# Altium PCB 生日礼物V2.PcbDoc
Units mm, origin at the board's own origin, x right, y up, seen from the top; angles counter-clockwise.
Board outline 150 x 100 mm, 2 copper layers (Top Layer, Bottom Layer); 85 components, 79 nets, 265 pads, 11 vias.
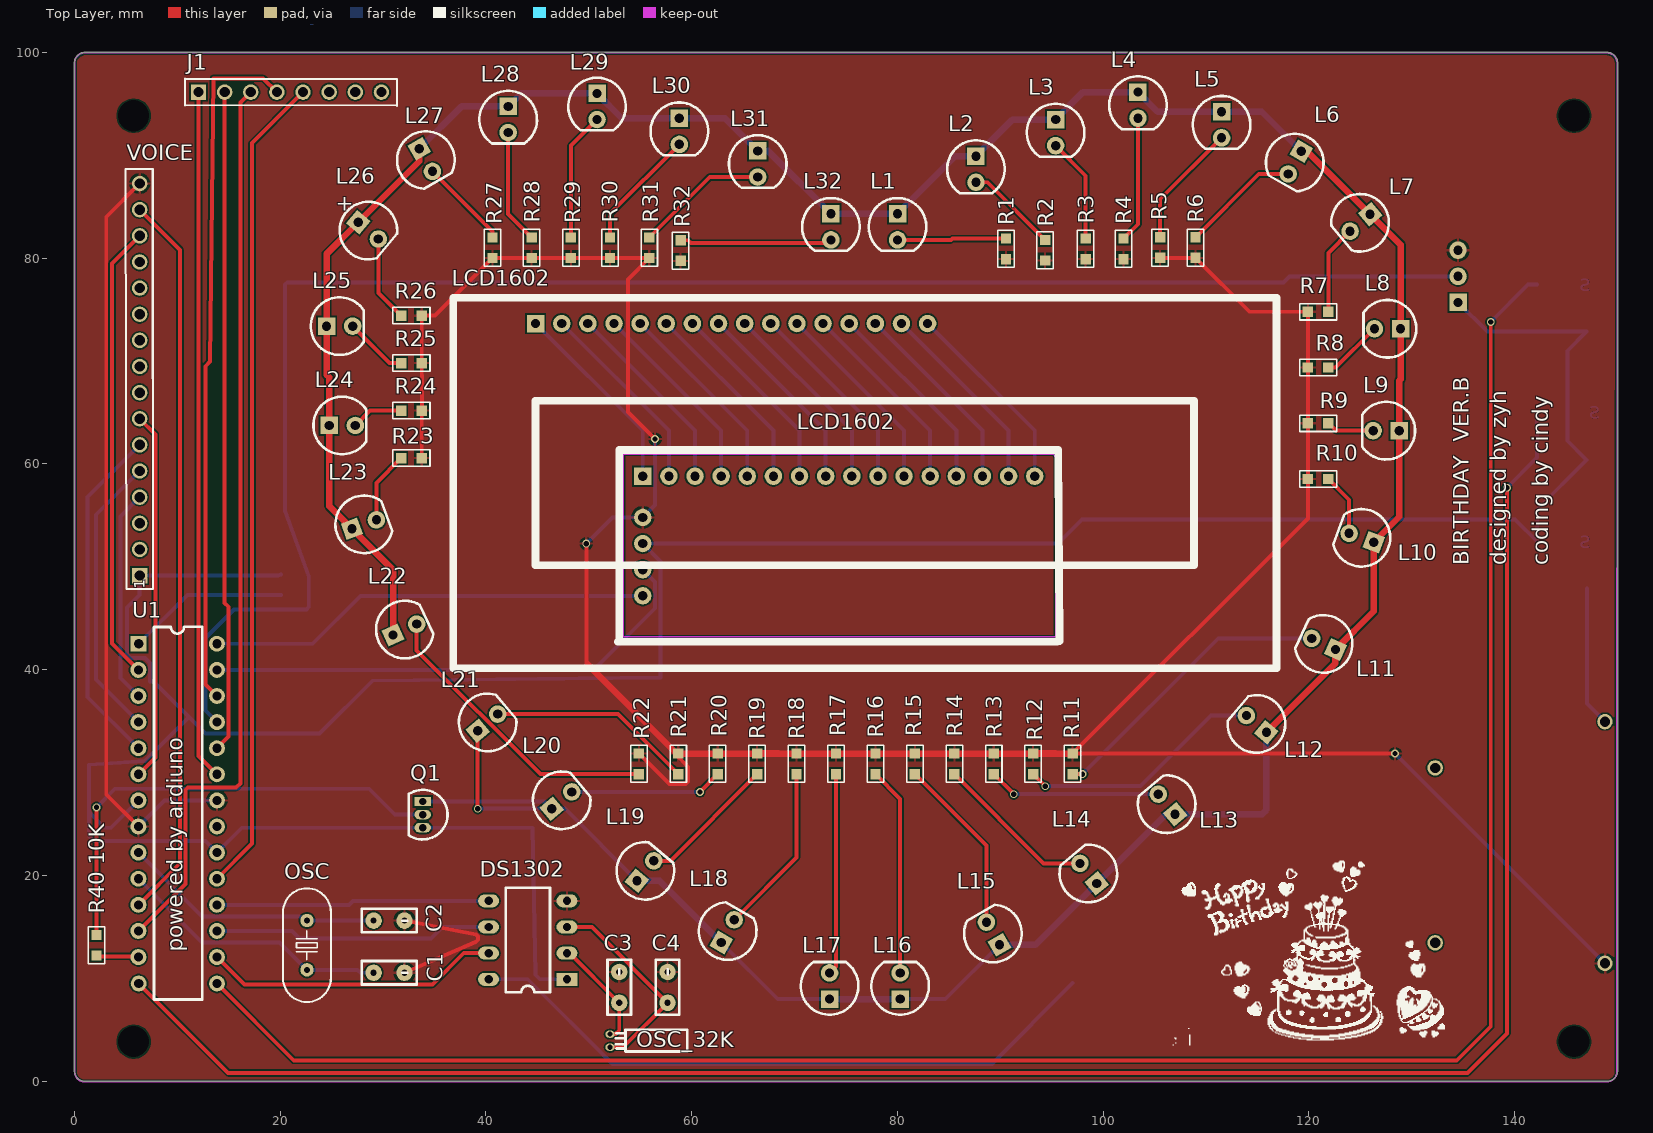
[diagram p0: Top Layer view]
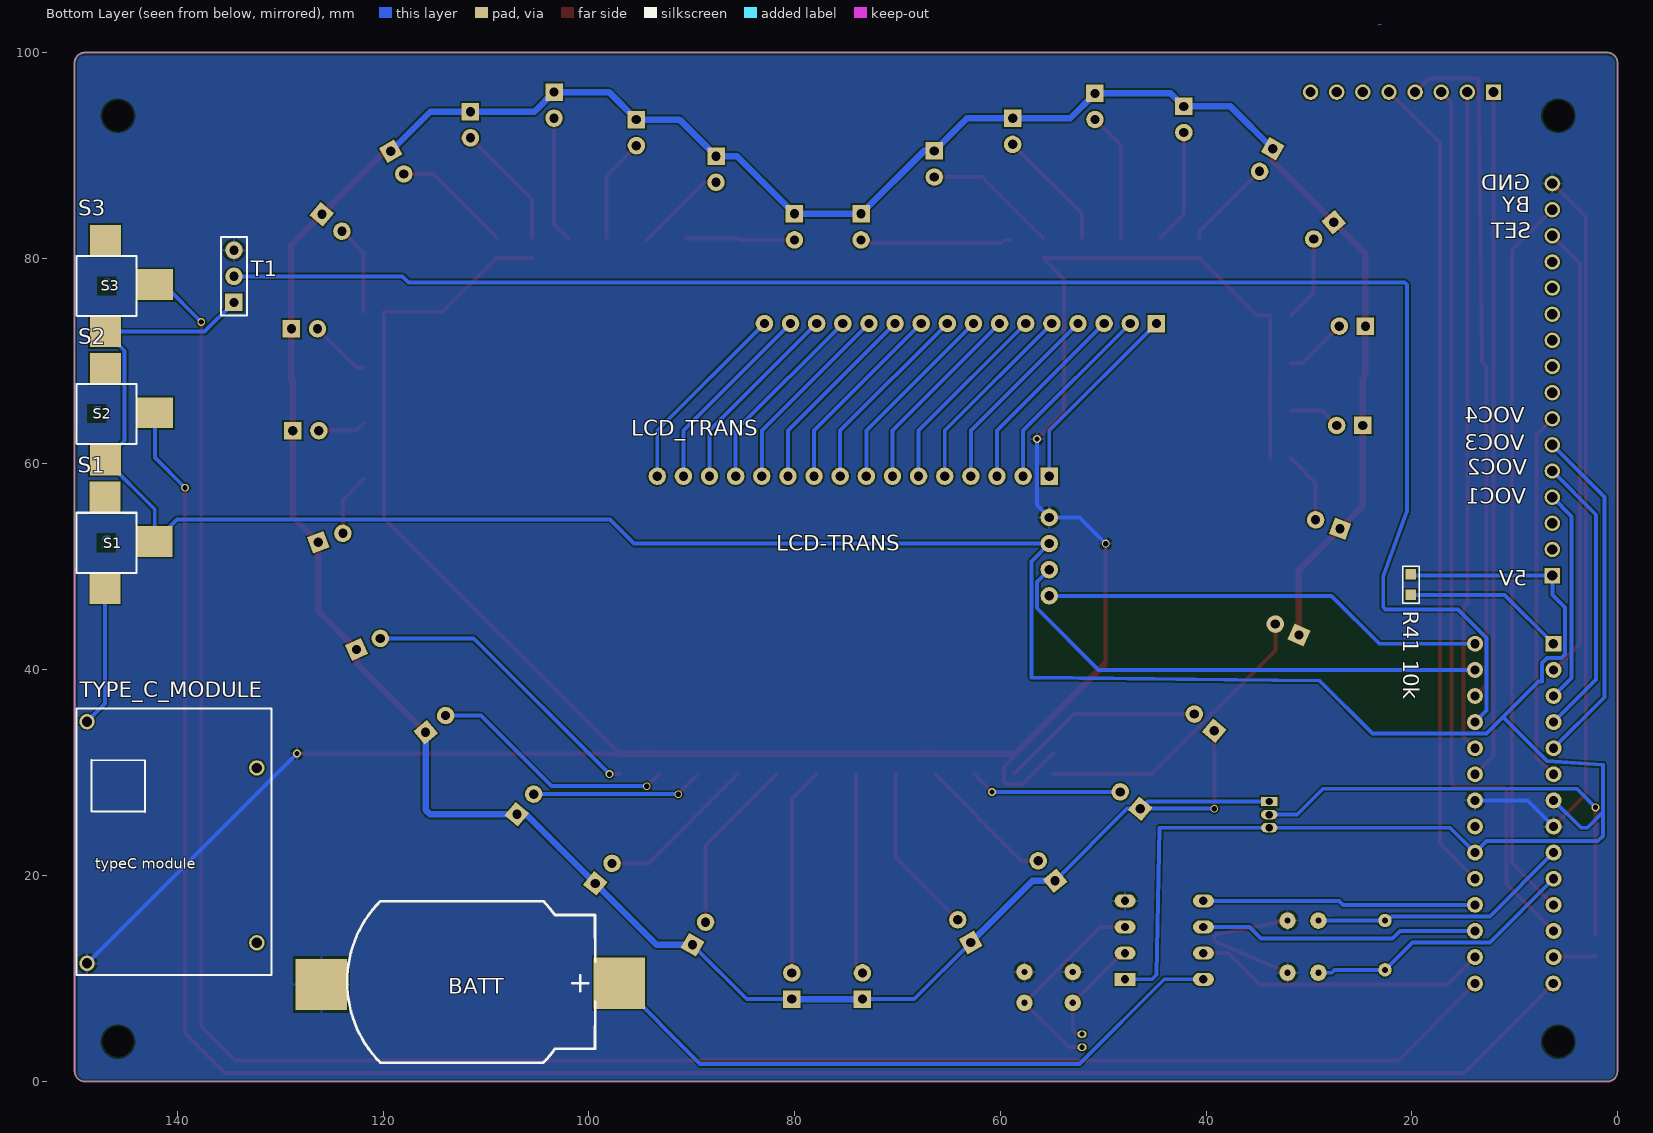
[diagram p1: Bottom Layer view, seen from below]

## Layer stack, top to bottom
Top Solder: solder mask 0.0102, Solder Resist, Dk 3.5
Top Layer: signal copper 0.0356
Dielectric 1: dielectric 0.32, FR-4, Dk 4.8
Bottom Layer: signal copper 0.0356
Bottom Solder: solder mask 0.0102, Solder Resist, Dk 3.5

## Board outline
0,1 0,99 cw(c1,99) 1,100 149,100 cw(c149,99) 150.001,99 150,1 cw(c149,1) 149,0 1,0 cw(c1,1)

## Design rules (kind name [scope] priority, off if disabled: settings)
Clearance [All] p1: gap=0.152 ignorepadtopadclearanceinfootprint=FALSE except(0: Arc-Hole Track-Hole SMDPad-Hole THPad-Hole Via-Hole Fill-Hole Poly-Hole Region-Hole Text-Hole)
PolygonConnect [All] p1: connectstyle=Relief reliefconductorwidth=0.254 reliefentries=4 polygonreliefangle="90 Angle" airgapwidth=0.254
RoomDefinition 生日礼物V2 [InComponentClass('生日礼物V2')] p1: confinementstyle=ConfineIn formatcopy=TRUE lockcomponents=FALSE outline -0.076,-0.279 150.088,-0.279 150.088,100.051 -0.076,100.051
RoutingVias [All] p1: holewidth=0.508 width=0.762 viastyle="Through Hole" minholewidth=0.254 minwidth=0.254 maxholewidth=5.08 maxwidth=5.08
SolderMaskExpansion [All] p1: expansion=0.102 istentingtop=FALSE
Width [All] p1: maxlimit=0.762 minlimit=0.152 preferedwidth=0.381
30 further rules are at their usual default settings.

## Components (designator, comment, footprint, x,y, rotation, side; value= is the part's Value field where it differs from the comment)
BATT "CR2302" CR2032_C 110.744,9.652 r270 bottom
C1 "" CAP 30.353,10.541 r0 top
C2 "" CAP 30.355,15.609 r0 top
C3 "" CAP 52.959,8.89 r90 top
C4 "" CAP 57.658,8.89 r90 top
DS1302 "DS1302" DS1302 47.879,9.906 r180 top
J1 "CON8" CON8 23.241,96.012 r0 top
L1 "" "LED 5MM-Y" 80.01,83.042 r270 top
L2 "" "LED 5MM-Y" 87.63,88.646 r270 top
L3 "" "LED 5MM-Y" 95.377,92.202 r270 top
L4 "" "LED 5MM-Y" 103.378,94.869 r270 top
L5 "" "LED 5MM-Y" 111.506,92.964 r270 top
L6 "" "LED 5MM-Y" 118.618,89.281 r240 top
L7 "" "LED 5MM-Y" 124.968,83.439 r220 top
L8 "" "LED 5MM-Y" 127.635,73.136 r180 top
L9 "" "LED 5MM-Y" 127.508,63.23 r180 top
L10 "" "LED 5MM-Y" 125.095,52.816 r160 top
L11 "" "LED 5MM-Y" 121.42,42.5 r155 top
L12 "" "LED 5MM-Y" 114.892,34.728 r140 top
L13 "" "LED 5MM-Y" 106.172,26.924 r130 top
L14 "" "LED 5MM-Y" 98.552,20.193 r130 top
L15 "" "LED 5MM-Y" 89.281,14.351 r120 top
L16 "" "LED 5MM-Y" 80.264,9.255 r90 top
L17 "" "LED 5MM-Y" 73.406,9.255 r90 top
L18 "" "LED 5MM-Y" 63.5,14.589 r60 top
L19 "" "LED 5MM-Y" 55.499,20.447 r50 top
L20 "" "LED 5MM-Y" 47.371,27.305 r40 top
L21 "" "LED 5MM-Y" 40.175,34.871 r40 top
L22 "" "LED 5MM-Y" 32.123,43.897 r25 top
L23 "" "LED 5MM-Y" 28.168,54.129 r20 top
L24 "" "LED 5MM-Y" 26.035,63.738 r0 top
L25 "" "LED 5MM-Y" 25.781,73.39 r0 top
L26 "" "LED 5MM-Y" 28.575,82.677 r320 top
L27 "" "LED 5MM-Y" 34.163,89.535 r300 top
L28 "" "LED 5MM-Y" 42.164,93.472 r270 top
L29 "" "LED 5MM-Y" 50.8,94.742 r270 top
L30 "" "LED 5MM-Y" 58.801,92.329 r270 top
L31 "" "LED 5MM-Y" 66.421,89.154 r270 top
L32 "" "LED 5MM-Y" 73.533,83.042 r270 top
LCD1602 "" LCD1602 44.831,73.644 r0 top
LCD_TRANS "" LCD-TRANS 136.144,66.548 r180 bottom
OSC "OSC" "OSC HC-49U" 22.606,13.221 r270 top
OSC_32K "" osc_32.768K 52.07,3.937 r180 top
Q1 "S8050" TO92 34.925,26.162 r270 top
R1 "RES" 0805R 90.551,80.899 r270 top
R2 "RES" 0805R 94.361,80.772 r270 top
R3 "RES" 0805R 98.298,80.899 r270 top
R4 "RES" 0805R 101.981,80.899 r270 top
R5 "RES" 0805R 105.537,81.026 r270 top
R6 "RES" 0805R 108.966,81.026 r270 top
R7 "RES" 0805R 120.888,74.787 r180 top
R8 "RES" 0805R 120.888,69.368 r180 top
R9 "RES" 0805R 120.888,63.95 r180 top
R10 "RES" 0805R 120.888,58.531 r180 top
R11 "RES" 0805R 97.028,30.845 r90 top
R12 "RES" 0805R 93.195,30.845 r90 top
R13 "RES" 0805R 89.362,30.845 r90 top
R14 "RES" 0805R 85.529,30.845 r90 top
R15 "RES" 0805R 81.696,30.845 r90 top
R16 "RES" 0805R 77.863,30.845 r90 top
R17 "RES" 0805R 74.029,30.845 r90 top
R18 "RES" 0805R 70.196,30.845 r90 top
R19 "RES" 0805R 66.363,30.845 r90 top
R20 "RES" 0805R 62.53,30.845 r90 top
R21 "RES" 0805R 58.697,30.845 r90 top
R22 "RES" 0805R 54.864,30.845 r90 top
R23 "RES" 0805R 32.766,60.563 r0 top
R24 "RES" 0805R 32.766,65.177 r0 top
R25 "RES" 0805R 32.766,69.792 r0 top
R26 "RES" 0805R 32.766,74.406 r0 top
R27 "RES" 0805R 40.64,81.01 r270 top
R28 "RES" 0805R 44.45,81.01 r270 top
R29 "RES" 0805R 48.26,81.01 r270 top
R30 "RES" 0805R 52.07,81.01 r270 top
R31 "RES" 0805R 55.88,81.01 r270 top
R32 "RES" 0805R 58.928,80.737 r270 top
"R40 10K" "10K" 0805R 2.159,13.208 r90 top (schematic designator R40)
"R41 10k" "10k" 0805R 20.097,48.271 r90 bottom (schematic designator R41)
S1 "switch" switch 148.031,59.191 r180 bottom
S2 "swtich2" switch 148.006,71.699 r180 bottom
S3 "swtich2" switch 148.006,84.153 r180 bottom
T1 "TEMPERATURE" TEMP_SENSOR 133.096,78.74 r180 bottom
TYPE_C_MODULE "TYPE_C_MODULE" TYPE_C_Module 141.224,15.674 r180 bottom
U1 "" DIP28 10.042,26.006 r0 top
VOICE "" VOICE 6.35,88.519 r90 top

## Footprints (in the part's own frame and the unit in brackets; to place one, negate y for a bottom-side part, rotate by r counter-clockwise, add the part's x,y. Pads: shape width x height; smd on the part's side, far side on the other; paste and mask are expansions set on the pad)
0805R [mm]
  rect 1x1 smd: 1(-1,0) 2(1,0)
  silkscreen extent -1.8,-0.8 1.8,0.8
CAP [mm] "瓷片电容，脚距3mm"
  round 1.6 hole 0.6: 1(-1.27,0) 2(1.73,0)
  silkscreen extent -2.41,-1.14 2.92,1.14
CON8 [mm]
  rect 1.5x1.5 hole 1: 1(-11.176,0.127)
  round 1.5 hole 1: 2(-8.636,0.127) 3(-6.096,0.127) 4(-3.556,0.127) 5(-1.016,0.127) 6(1.524,0.127) 7(4.064,0.127) 8(6.604,0.127)
  silkscreen extent -12.48,-1.2 8.13,1.43
CR2032_C [mm]
  rect 5x5 smd: 1(0.127,13.716) 2(0.254,-15.24)
  silkscreen extent -7.85,-12.75 7.85,11.35
DIP28 [mil] "28脚300mil直插集成电路（蒜米工坊）"
  rect 61x61 hole 35: 1(-149.24,650.1)
  round 61 hole 35: 2(-150.36,550.19) 3(-150.36,450.29) 4(-150.36,350.39) 5(-150.36,250.48) 6(-150.36,150.58) 7(-150.36,50.68) 8(-150.36,-49.23) 9(-150.36,-149.13) 10(-150.36,-249.04) 11(-150.36,-348.94) 12(-150.36,-448.84) 13(-150.36,-548.75) 14(-149.24,-650.1) 15(150.36,-650.1) 16(150.36,-548.75) 17(150.36,-448.84) 18(150.36,-348.94) 19(150.36,-249.04) 20(150.36,-149.13) 21(150.36,-49.23) 22(150.36,50.68) 23(150.36,150.58) 24(150.36,250.48) 25(150.36,350.39) 26(150.36,450.29) 27(150.36,550.19) 28(149.97,650.1)
  silkscreen extent -91,-711 94,715, body extent -154,-690 154,690, height 180
DS1302 [mil] "8脚300mil直插集成电路（蒜米工坊）"
  rect 80x50 hole 32: 1(0,0)
  oval 80x50 hole 32: 2(0,-100) 3(0,-200) 4(0,-300) 5(300,-300) 6(300,-200) 7(300,-100) 8(300,0)
  silkscreen extent 65,-350 235,50, body extent -3,-363 303,63, height 177
LCD1602 [mm] "LCD module 16*2 char"
  rect 1.7x1.7 hole 0.9: 1(0,0)
  round 1.7 hole 0.9: 2(2.54,0) 3(5.08,0) 4(7.62,0) 5(10.16,0) 6(12.7,0) 7(15.24,0) 8(17.78,0) 9(20.32,0) 10(22.86,0) 11(25.4,0) 12(27.94,0) 13(30.48,0) 14(33.02,0) 15(35.56,0) 16(38.1,0)
  silkscreen extent -8,-33.5 72,2.5, body extent -8.15,-33.11 71.85,1.89, height 9
LCD-TRANS [mm] "LCD module 16*2 char"
  rect 1.7x1.7 hole 0.9: 1(80.899,-7.747)
  round 1.7 hole 0.9: 2(78.359,-7.747) 3(75.819,-7.747) 4(73.279,-7.747) 5(70.739,-7.747) 6(68.199,-7.747) 7(65.659,-7.747) 8(63.119,-7.747) 9(60.579,-7.747) 10(58.039,-7.747) 11(55.499,-7.747) 12(52.959,-7.747) 13(50.419,-7.747) 14(47.879,-7.747) 15(45.339,-7.747) 16(42.799,-7.747) 17(80.899,-11.747) 18(80.899,-14.287) 19(80.899,-16.827) 20(80.899,-19.367)
  Bottom Layer keep-out lines w0.152: 82.804,-23.368 82.804,-5.588 41.021,-5.588 40.767,-5.842 40.767,-23.368 82.804,-23.368
"LED 5MM-Y" [mm] "黄色5mm直插LED"
  rect 1.7x1.7 hole 0.9: 1(-1.27,0)
  round 1.7 hole 0.9: 2(1.27,0)
  silkscreen extent -2.8,-2.8 2.33,2.8, body extent -2.85,-2.85 2.45,2.85, height 8.75
"OSC HC-49U" [mm]
  round 1.3 hole 0.6: 1(-2.4,0) 2(2.4,0)
  silkscreen extent -5.52,-2.32 5.52,2.33, body extent -5.53,-2.33 5.52,2.32, height 13.95
osc_32.768K [mm]
  oval 0.9x0.7 hole 0.5: 1(0,0.635) 2(0,-0.635)
  silkscreen extent -7.5,-1.05 -0.57,1.05
switch [mm]
  rect 3x3 smd: 1(1.016,-11.303) 3(1.016,-2.413)
  rect 3.5x3 smd: 2(5.842,-6.731)
  silkscreen extent -1.78,-9.78 4.06,-3.94
TEMP_SENSOR [mm] "排母，3脚"
  rect 1.7x1.7 hole 0.9: 1(-1.397,-3.048)
  round 1.7 hole 0.9: 2(-1.397,-0.508) 3(-1.397,2.032)
  silkscreen extent -2.67,-4.32 -0.13,3.3, body extent -2.67,-4.32 -0.13,3.3, height 8.5
TO92 [mm]
  rect 0.9x1.6 hole 0.7: 1(-1.016,-1.067)
  oval 0.9x1.6 hole 0.7: 2(0.254,-1.067) 3(1.524,-1.067)
  silkscreen extent -2.16,-2.41 2.67,1.34
TYPE_C_Module [mm]
  round 1.5 hole 1: 1(-7.544,19.278) 2(-7.544,-4.222) 3(8.956,14.778) 4(8.956,-2.222)
  silkscreen extent -8.56,-5.36 10.36,20.55
VOICE [mm] "VOICE"
  rect 1.5x1.5 hole 1: 1(-39.37,0)
  round 1.5 hole 1: 2(-36.83,0) 3(-34.29,0) 4(-31.75,0) 5(-29.21,0) 6(-26.67,0) 7(-24.13,0) 8(-21.59,0) 9(-19.05,0) 10(-16.51,0) 11(-13.97,0) 12(-11.43,0) 13(-8.89,0) 14(-6.35,0) 15(-3.81,0) 16(-1.27,0)
  silkscreen extent -40.67,-1.3 0.13,1.4

## Part data
BATT: library part BATTERY, "Multicell Battery", LatestRevisionDate=17-Jul-2002, LatestRevisionNote="Re-released for DXP Platform.", PackageReference=BAT-2, Published=24-Mar-1999, Publisher="Altium Limited"
C1 C2 C3 C4: library part CAP
L1 L2 L3 L4 L5 L6 L7 L8 L9 L10 L11 L12 L13 L14 L15 L16 L17 L18 L19 L20 L21 L22 L23 L24 L25 L26 L27 L28 L29 L30 L31 L32: library part LED
LCD1602: library part LCD1602
LCD_TRANS: library part LCD_TRANS
OSC: "晶振 32.768KHZ"
OSC_32K: library part OSC_32K
Q1: library part 8050-DIP, "高频放大-NPN型", BOM名称=高频放大-NPN型, 学习资源=www.ooocke.com, 属性="40V 1.5A 1W 100MHZ", 版权归属=源创客
"R40 10K" "R41 10k": library part RES
S1: "主开关"
S2: library part swtich, "按钮触发"
S3: library part swtich
T1: "温度传感器"
U1: library part ATMEGA8_DIP28, "Atmel Microcontroller - Library created by carel..  <www.mpfreezone.com>"
VOICE: library part VOICE

## Free pads (board coordinates)
  round 1.524 hole 3.023 unplated: 3(5.762,3.841) 4(5.762,93.841) 5(145.762,3.841) 6(145.762,93.841)

## Via types
v1: diameter 0.762, hole 0.508, Top Layer to Bottom Layer, 11 vias

## Nets (pads, with @x,y where several pads share a name; then routed paths per layer and width w, separated by ;. In a path a pad name is that pad's centre, name@x,y a point inside that pad or via, vN(x,y) a via of type N, cw(c..) or ccw(c..) an arc to the next point about the centre after c; other vN are vias at no path point)
A0: J1.1 U1.23 | length 67.1
  Top Layer w0.381: J1.1 12.065,31.627 U1.23
A1: J1.2 U1.24 | length 64.4
  Top Layer w0.381: U1.24 14.979,33.485 14.979,46.113 14.605,46.486 J1.2
A3: J1.4 U1.26 | length 67.4
  Top Layer w0.381: U1.26 12.725,38.579 12.725,69.494 13.183,69.952 13.525,97.472 18.351,97.472 J1.4
BAT1: BATT.1 DS1302.8 | length 63.4
  Bottom Layer w0.381: DS1302.8 44.069,9.906 52.294,1.681 89.184,1.681 BATT.1
CLK_IO: DS1302.6 U1.17 | length 27.2
  Bottom Layer w0.381: U1.17 21.158,14.605 21.895,13.868 34.646,13.868 35.763,14.986 DS1302.6
CLK_RST: DS1302.5 U1.18 | length 26.6
  Bottom Layer w0.381: U1.18 26.693,17.143 27.076,17.526 DS1302.5
CLK_SCLK: DS1302.7 U1.16 | length 28.8
  Top Layer w0.381: U1.16 16.531,9.398 34.798,9.398 37.846,12.446 DS1302.7
D7: "R40 10K.1" U1.13 | length 4.1
  Top Layer w0.381: 2.159,12.208 2.229,12.138 6.153,12.138 U1.13
D8: S2.2 U1.14 | length 199.7
  Top Layer w0.381: U1.14 14.941,0.804 135.411,0.804 139.243,4.635 v1(139.243,57.683)
  Bottom Layer w0.381: v1(139.243,57.683) 142.164,60.604 S2.2
D9: S3.2 U1.15 | length 202.7
  Top Layer w0.381: U1.15 21.322,2.032 134.366,2.032 137.668,5.334 v1(137.668,73.787)
  Bottom Layer w0.381: v1(137.668,73.787) 141.303,77.422 S3.2
F_D6: J1.3 U1.12 | length 88.8
  Top Layer w0.381: U1.12 10.8,19.182 10.8,28.326 11.023,28.55 15.723,28.55 16.129,28.956 16.129,95.123 J1.3
F_D13: J1.5 U1.19 | length 79.9
  Top Layer w0.381: U1.19 17.272,23.091 17.272,91.186 J1.5
GND: BATT.2 C1.2 C2.2 C3.2 C4.2 DS1302.4 LCD_TRANS.17 R1.2 R2.2 R3.2 R4.2 R5.2 R6.2 R7.2 R8.2 R9.2 R10.2 R11.2 R12.2 R13.2 R14.2 R15.2 R16.2 R17.2 R18.2 R19.2 R20.2 R21.2 R22.2 R23.2 R24.2 R25.2 R26.2 R27.2 R28.2 R29.2 R30.2 R31.2 R32.2 T1.3 TYPE_C_MODULE.2 U1.8 U1.22 VOICE.16 | length 375.3
  Top Layer w0.381: U1.8 3.099,27.879 3.099,83.998 VOICE.16 ; C1.2 38.996,13.528 39.219,13.751 39.219,14.067 39.025,14.261 C2.2 ; R23.2 R24.2 33.782,65.193 33.782,68.605 33.766,68.621 R25.2 R26.2 35.036,74.406 R27.2 R28.2 R29.2 R30.2 R31.2 53.797,77.927 53.797,65.049 v1(56.439,62.408) ; v1(49.759,52.248) 49.759,40.784 ; R22.2 57.834,28.875 59.392,28.875 59.667,29.15 59.667,30.54 49.759,40.448 49.759,40.784 ; R21.2 49.759,40.784 ; R5.2 106.664,80.026 106.68,80.01 108.95,80.01 R6.2 114.205,74.787 R7.2 R8.2 R9.2 R10.2 119.888,54.705 R11.2 v1(128.375,31.845)
  Top Layer w0.635: R21.2 R20.2 R19.2 66.37,31.852 68.402,31.852 68.409,31.845 R18.2 R17.2 R16.2 R15.2 R14.2 R13.2 R12.2 93.195,31.852 95.32,31.852 95.326,31.845 R11.2
  Bottom Layer w0.381: U1.8 8.761,27.293 U1.22 ; v1(49.759,52.248) 52.312,54.801 LCD_TRANS.17 56.439,55.995 v1(56.439,62.408) ; v1(128.375,31.845) TYPE_C_MODULE.2
NetL1_2: L1.2 R1.1 | length 10.6
  Top Layer w0.381: L1.2 85.217,81.772 85.344,81.899 R1.1
NetL2_2: L2.2 R2.1 | length 9.1
  Top Layer w0.381: L2.2 88.757,87.376 R2.1
NetL3_2: L3.2 R3.1 | length 10.2
  Top Layer w0.381: L3.2 98.298,88.011 R3.1
NetL4_2: L4.2 R4.1 | length 12.3
  Top Layer w0.381: R4.1 103.378,83.296 L4.2
NetL5_2: L5.2 R5.1 | length 12.1
  Top Layer w0.381: R5.1 105.537,85.725 L5.2
NetL6_2: L6.2 R6.1 | length 11.6
  Top Layer w0.381: R6.1 115.121,88.181 L6.2
NetL7_2: L7.2 R7.1 | length 8.7
  Top Layer w0.381: R7.1 121.888,80.516 L7.2
NetL8_2: L8.2 R8.1 | length 6
  Top Layer w0.381: R8.1 122.597,69.368 L8.2
NetL9_2: L9.2 R9.1 | length 4.6
  Top Layer w0.381: R9.1 122.608,63.23 L9.2
NetL10_2: L10.2 R10.1 | length 6.1
  Top Layer w0.381: R10.1 123.902,56.517 L10.2
NetL11_2: L11.2 R11.1 | length 28.7
  Top Layer w0.381: R11.1 v1(97.993,29.845)
  Bottom Layer w0.381: v1(97.993,29.845) 111.185,43.037 L11.2
NetL12_2: L12.2 R12.1 | length 24.1
  Top Layer w0.381: R12.1 v1(94.363,28.677)
  Bottom Layer w0.381: v1(94.363,28.677) 103.628,28.677 110.495,35.544 L12.2
NetL13_2: L13.2 R13.1 | length 16.8
  Top Layer w0.381: R13.1 v1(91.31,27.897)
  Bottom Layer w0.381: v1(91.31,27.897) L13.2
NetL14_2: L14.2 R14.1 | length 15.8
  Top Layer w0.381: R14.1 94.208,21.166 L14.2
NetL15_2: L15.2 R15.1 | length 17.3
  Top Layer w0.381: R15.1 88.646,22.895 L15.2
NetL16_2: L16.2 R16.1 | length 20.3
  Top Layer w0.381: R16.1 80.264,27.444 L16.2
NetL17_2: L17.2 R17.1 | length 19.6
  Top Layer w0.381: L17.2 74.029,11.148 R17.1
NetL18_2: L18.2 R18.1 | length 16.7
  Top Layer w0.381: L18.2 70.196,21.75 R18.1
NetL19_2: L19.2 R19.1 | length 13.5
  Top Layer w0.381: L19.2 57.938,21.42 R19.1
NetL20_2: L20.2 R20.1 | length 14.9
  Top Layer w0.381: v1(60.807,28.121) R20.1
  Bottom Layer w0.381: L20.2 v1(60.807,28.121)
NetL21_2: L21.2 R21.1 | length 20
  Top Layer w0.381: L21.2 52.855,35.687 R21.1
NetL22_2: L22.2 R22.1 | length 29.1
  Top Layer w0.381: L22.2 33.274,41.874 45.303,29.845 R22.1
NetL23_2: L23.2 R23.1 | length 7
  Top Layer w0.381: L23.2 29.361,58.158 R23.1
NetL24_2: L24.2 R24.1 | length 5.1
  Top Layer w0.381: L24.2 28.744,65.177 R24.1
NetL25_2: L25.2 R25.1 | length 6.2
  Top Layer w0.381: L25.2 30.649,69.792 R25.1
NetL26_2: L26.2 R26.1 | length 8.4
  Top Layer w0.381: L26.2 29.548,76.624 R26.1
NetL27_2: L27.2 R27.1 | length 8.8
  Top Layer w0.381: L27.2 40.64,82.593 R27.1
NetL28_2: L28.2 R28.1 | length 11.1
  Top Layer w0.381: L28.2 42.164,84.296 R28.1
NetL29_2: L29.2 R29.1 | length 12.5
  Top Layer w0.381: R29.1 48.26,90.932 L29.2
NetL30_2: L30.2 R30.1 | length 11.8
  Top Layer w0.381: R30.1 52.07,84.328 L30.2
NetL31_2: L31.2 R31.1 | length 13
  Top Layer w0.381: R31.1 61.754,87.884 L31.2
NetL32_2: L32.2 R32.1 | length 14.9
  Top Layer w0.381: R32.1 59.639,81.737 59.919,81.458 73.219,81.458 L32.2
NetLCD1602_2: LCD1602.2 LCD_TRANS.2 | length 19.2
  Bottom Layer w0.381: LCD1602.2 57.785,63.23 LCD_TRANS.2
NetLCD1602_3: LCD1602.3 LCD_TRANS.3 | length 19.2
  Bottom Layer w0.381: LCD1602.3 60.325,63.23 LCD_TRANS.3
NetLCD1602_4: LCD1602.4 LCD_TRANS.4 | length 19.2
  Bottom Layer w0.381: LCD1602.4 62.865,63.23 LCD_TRANS.4
NetLCD1602_5: LCD1602.5 LCD_TRANS.5 | length 19.2
  Bottom Layer w0.381: LCD1602.5 65.405,63.23 LCD_TRANS.5
NetLCD1602_6: LCD1602.6 LCD_TRANS.6 | length 19.2
  Bottom Layer w0.381: LCD1602.6 67.945,63.23 LCD_TRANS.6
NetLCD1602_7: LCD1602.7 LCD_TRANS.7 | length 19.2
  Bottom Layer w0.381: LCD1602.7 70.485,63.23 LCD_TRANS.7
NetLCD1602_8: LCD1602.8 LCD_TRANS.8 | length 19.2
  Bottom Layer w0.381: LCD1602.8 73.025,63.23 LCD_TRANS.8
NetLCD1602_9: LCD1602.9 LCD_TRANS.9 | length 19.2
  Bottom Layer w0.381: LCD1602.9 75.565,63.23 LCD_TRANS.9
NetLCD1602_10: LCD1602.10 LCD_TRANS.10 | length 19.2
  Bottom Layer w0.381: LCD1602.10 78.105,63.23 LCD_TRANS.10
NetLCD1602_11: LCD1602.11 LCD_TRANS.11 | length 19.2
  Bottom Layer w0.381: LCD1602.11 80.645,63.23 LCD_TRANS.11
NetLCD1602_12: LCD1602.12 LCD_TRANS.12 | length 19.2
  Bottom Layer w0.381: LCD1602.12 83.185,63.23 LCD_TRANS.12
NetLCD1602_13: LCD1602.13 LCD_TRANS.13 | length 19.2
  Bottom Layer w0.381: LCD1602.13 85.725,63.23 LCD_TRANS.13
NetLCD1602_14: LCD1602.14 LCD_TRANS.14 | length 19.2
  Bottom Layer w0.381: LCD1602.14 88.265,63.23 LCD_TRANS.14
NetLCD1602_15: LCD1602.15 LCD_TRANS.15 | length 19.2
  Bottom Layer w0.381: LCD1602.15 90.805,63.23 LCD_TRANS.15
NetLCD1602_16: LCD1602.16 LCD_TRANS.16 | length 19.2
  Bottom Layer w0.381: LCD1602.16 93.345,63.23 LCD_TRANS.16
NetQ1_2: "R40 10K.2" Q1.2 | length 45.9
  Top Layer w0.381: 2.159,14.208 v1(2.159,26.619)
  Bottom Layer w0.381: v1(2.159,26.619) 3.962,28.423 28.626,28.423 31.14,25.908 Q1.2
NetS1_1: S1.1 TYPE_C_MODULE.1 | length 13.7
  Bottom Layer w0.381: S1.1 147.015,36.705 TYPE_C_MODULE.1
OSC1: C2.1 OSC.1 U1.9 | length 25.6
  Bottom Layer w0.381: U1.9 12.416,16.025 21.953,16.025 22.357,15.621 OSC.1 27.661,15.621 27.673,15.609 C2.1
OSC2: C1.1 OSC.2 U1.10 | length 26.6
  Bottom Layer w0.381: U1.10 12.416,13.487 19.94,13.487 OSC.2 27.508,10.821 27.788,10.541 C1.1
OSC3: C3.1 DS1302.2 OSC_32K.2 | length 10.8
  Top Layer w0.381: DS1302.2 48.133,12.446 C3.1 52.959,4.953 52.578,4.572 OSC_32K.2
OSC4: C4.1 DS1302.3 OSC_32K.1 | length 20.2
  Top Layer w0.381: DS1302.3 50.292,14.986 C4.1 53.34,3.302 OSC_32K.1
RESET: "R41 10k.1" U1.1 | length 15.8
  Bottom Layer w0.381: U1.1 10.892,47.159 11.004,47.271 20.097,47.271
SCL: LCD_TRANS.20 U1.28 | length 43.3
  Bottom Layer w0.381: U1.28 23.139,42.518 27.802,47.181 LCD_TRANS.20
SDA: LCD_TRANS.19 U1.27 | length 49.3
  Bottom Layer w0.381: U1.27 50.445,39.981 56.439,45.974 56.439,48.527 LCD_TRANS.19
TEMP: T1.2 U1.25 | length 166
  Bottom Layer w0.381: U1.25 12.725,36.041 12.725,43.084 15.51,45.868 22.554,45.868 22.777,46.091 22.777,49.089 20.49,55.374 20.467,55.504 20.467,77.419 20.69,77.642 117.52,77.642 118.11,78.232 T1.2
VCC_LED: L1.1 L2.1 L3.1 L4.1 L5.1 L6.1 L7.1 L8.1 L9.1 L10.1 L11.1 L12.1 L13.1 L14.1 L15.1 L16.1 L17.1 L18.1 L19.1 L20.1 L21.1 L22.1 L23.1 L24.1 L25.1 L26.1 L27.1 L28.1 L29.1 L30.1 L31.1 L32.1 Q1.1 | length 339.8
  Top Layer w0.381: v1(39.202,26.489) L21.1
  Top Layer w0.635: L22.1 30.972,49.697 L23.1 24.765,55.904 L24.1 24.765,68.428 24.511,68.682 L25.1 24.511,80.402 L26.1 33.528,89.419 L27.1 ; L12.1 122.571,40.618 L11.1 126.288,45.681 L10.1 128.778,54.871 L9.1 128.778,68.097 128.905,68.224 L8.1 128.905,81.291 L7.1 119.815,90.381 L6.1
  Bottom Layer w0.381: Q1.1 45.709,27.178 L20.1 ; v1(39.202,26.489) L20.1 ; L19.1 47.668,26.489 L20.1 ; L18.1 68.369,7.985 L17.1 ; L16.1 84.65,7.985 L15.1
  Bottom Layer w0.635: L27.1 37.635,94.742 L28.1 43.434,96.012 L29.1 53.213,93.599 L30.1 63.246,93.599 L31.1 67.421,90.424 L32.1 L1.1 85.614,89.916 L2.1 91.186,93.472 L3.1 98.044,96.139 L4.1 105.283,94.234 L5.1 115.4,94.234 L6.1 ; L19.1 56.88,19.474 L18.1 ; L17.1 L16.1 ; L15.1 93.399,13.251 L14.1 106.099,25.951 L13.1 115.443,25.951 115.865,26.373 L12.1
VCC_S: "R41 10k.2" DS1302.1 LCD_TRANS.18 Q1.3 S1.2 S2.1 S3.1 T1.1 U1.7 U1.20 VOICE.1 | length 307.5
  Bottom Layer w0.381: U1.7 3.568,24.638 2.933,24.638 1.422,26.149 ; 20.097,49.271 19.788,49.159 17.612,49.159 17.602,49.149 VOICE.1 6.35,47.269 5.131,46.05 5.131,41.465 5.474,41.123 6.858,41.123 7.341,40.64 7.341,38.862 7.671,38.862 11.138,35.395 ; DS1302.1 45.276,9.906 44.831,10.351 44.514,24.638 Q1.3 16.282,24.638 U1.20 12.736,23.343 1.93,23.343 1.422,23.851 1.422,26.149 ; T1.1 137.335,72.85 S3.1 145.136,70.996 145.136,62.25 S2.1 142.189,55.595 S1.2 140.042,54.607 97.939,54.607 95.593,52.261 LCD_TRANS.18 56.972,50.534 56.972,39.243 28.969,38.925 23.825,33.782 12.751,33.782 11.138,35.395 ; 1.422,26.149 1.422,30.759 6.858,31.115 11.138,35.395
VOC_1: U1.3 VOICE.4 | length 20.8
  Bottom Layer w0.381: U1.3 4.466,39.2 4.466,54.885 VOICE.4
VOC_2: U1.4 VOICE.5 | length 27.9
  Bottom Layer w0.381: U1.4 2.098,39.03 2.098,55.057 VOICE.5
VOC_3: U1.5 VOICE.6 | length 33.6
  Bottom Layer w0.381: U1.5 1.27,37.321 1.27,56.769 VOICE.6
VOC_4: U1.6 VOICE.7 | length 35.9
  Top Layer w0.381: U1.6 7.874,31.481 7.874,62.865 VOICE.7
VOC_BUSY: U1.11 VOICE.15 | length 70.9
  Top Layer w0.381: U1.11 10.266,21.186 10.266,80.793 VOICE.15
VOC_SET: U1.2 VOICE.14 | length 44.4
  Top Layer w0.381: U1.2 3.657,42.547 3.657,79.476 VOICE.14
VSS: LCD1602.1 LCD_TRANS.1 | length 19.2
  Bottom Layer w0.381: LCD1602.1 55.245,63.23 LCD_TRANS.1
pads on no net: J1.6 J1.7 J1.8 S1.3 S2.3 S3.3 TYPE_C_MODULE.3 TYPE_C_MODULE.4 U1.21 VOICE.2 VOICE.3 VOICE.8 VOICE.9 VOICE.10 VOICE.11 VOICE.12 VOICE.13

## Polygon pours and split planes (outlines as drawn)
GND on Top Layer "GND_L01_P000" (solid, remove dead copper, pour order 0): 1,0.18 cw(c0.913,0.839) 0.255,0.745 0.255,98.745 cw(c1.117,98.853) 1,99.714 149.148,99.714 cw(c149.061,99.03) 149.745,98.946 149.745,0.745 cw(c152.906,3.996) 149.655,0.835 cw(c148.989,0.846) 149,0.18
GND on Bottom Layer "GND_L02_P002" (solid, remove dead copper, pour order 2): 1.135,0.135 cw(c1.058,0.975) 0.219,0.889 0.219,98.781 cw(c1.079,98.836) 1.015,99.695 149.135,99.695 cw(c148.974,98.955) 149.711,98.781 149.756,0.756 cw(c151.184,2.229) 149.711,0.802 cw(c149.079,0.766) 149.135,0.135

## Keep-outs
Keep-Out Layer:
  lines w0.152: 0.026,98.921 cw(c1.001,98.972) 0.95,99.947 148.95,99.947 cw(c148.95,98.947) 149.95,98.947 149.915,0.897 cw(c148.983,0.885) 148.995,-0.048 0.95,-0.053 cw(c0.975,0.896) 0.027,0.921 0.026,98.921

## Other copper
Top Layer:
  text "top layer" at 13.843,104.14 h1.52
Bottom Layer:
  text "bottom layer" at 12.7,103.124 h1.52

## Silkscreen, mask and mechanical layers (free items; w line width, h text height)
Top Overlay:
  drawing of 1576 lines, arcs and shapes, not listed
  text "top overlay" at 12.319,104.013 h1.52
  text "+" at 25.4,84.582 h1.52
  text "BIRTHDAY  VER.B" at 135.509,50.165 h1.52 r90
  text "designed by zyh" at 139.192,50.165 h1.52 r90
  text "coding by cindy" at 143.256,50.165 h1.52 r90
  text "powered by ardiuno" at 10.541,12.573 h1.52 r90
Bottom Overlay:
  text "bottom overlay" at 12.573,104.14 h1.52
  text "GND" at 8.509,86.614 h1.52
  text "BY" at 8.509,84.455 h1.52
  text "SET" at 8.382,81.915 h1.52
  text "S3" at 147.447,76.835 h1.02
  text "S2" at 148.209,64.389 h1.02
  text "VOC4" at 9.017,64.008 h1.52
  text "VOC3" at 9.017,61.341 h1.52
  text "VOC2" at 8.763,58.928 h1.52
  text "VOC1" at 8.89,56.134 h1.52
  text "S1" at 147.193,51.816 h1.02
  text "5V" at 8.763,48.133 h1.52
  text "typeC module" at 147.962,20.642 h1.02
Mechanical 1:
  lines w0.152: 238.026,-52.099 ccw(c239.026,-52.099) 239.026,-53.099 ; 0.054,98.946 cw(c1.054,98.946) 1.054,99.946 149.054,99.946 cw(c149.003,98.971) 149.978,98.92 149.978,0.92 cw(c149.029,0.895) 149.054,-0.054 1.01,-0.049 cw(c1.022,0.884) 0.089,0.896 0.054,98.946
  text "mechanical 1" at 12.827,103.505 h1.52
  text "mechanical1" at 14.478,102.997 h1.52
Mechanical 13:
  text "mechanical 13" at 12.446,103.759 h1.52

## Dimensions
0.054,98.946 to 150.114,101.473 on Mechanical 13
1.01,-0.049 to 1.054,99.946 on Mechanical 13

## Text inside footprints (layer, text, board x,y; h text height)
LCD_TRANS: Bottom Overlay "LCD-TRANS" at 81.788,51.562 h1.52
S1: Bottom Layer "s" at 147.396,51.825 h1.52
S2: Bottom Layer "s" at 148.336,64.389 h1.52
S3: Bottom Layer "s" at 147.371,76.787 h1.52
VOICE: Top Overlay "1" at 6.858,47.879 h1.02 r90